# KiCad board P4.kicad_pcb
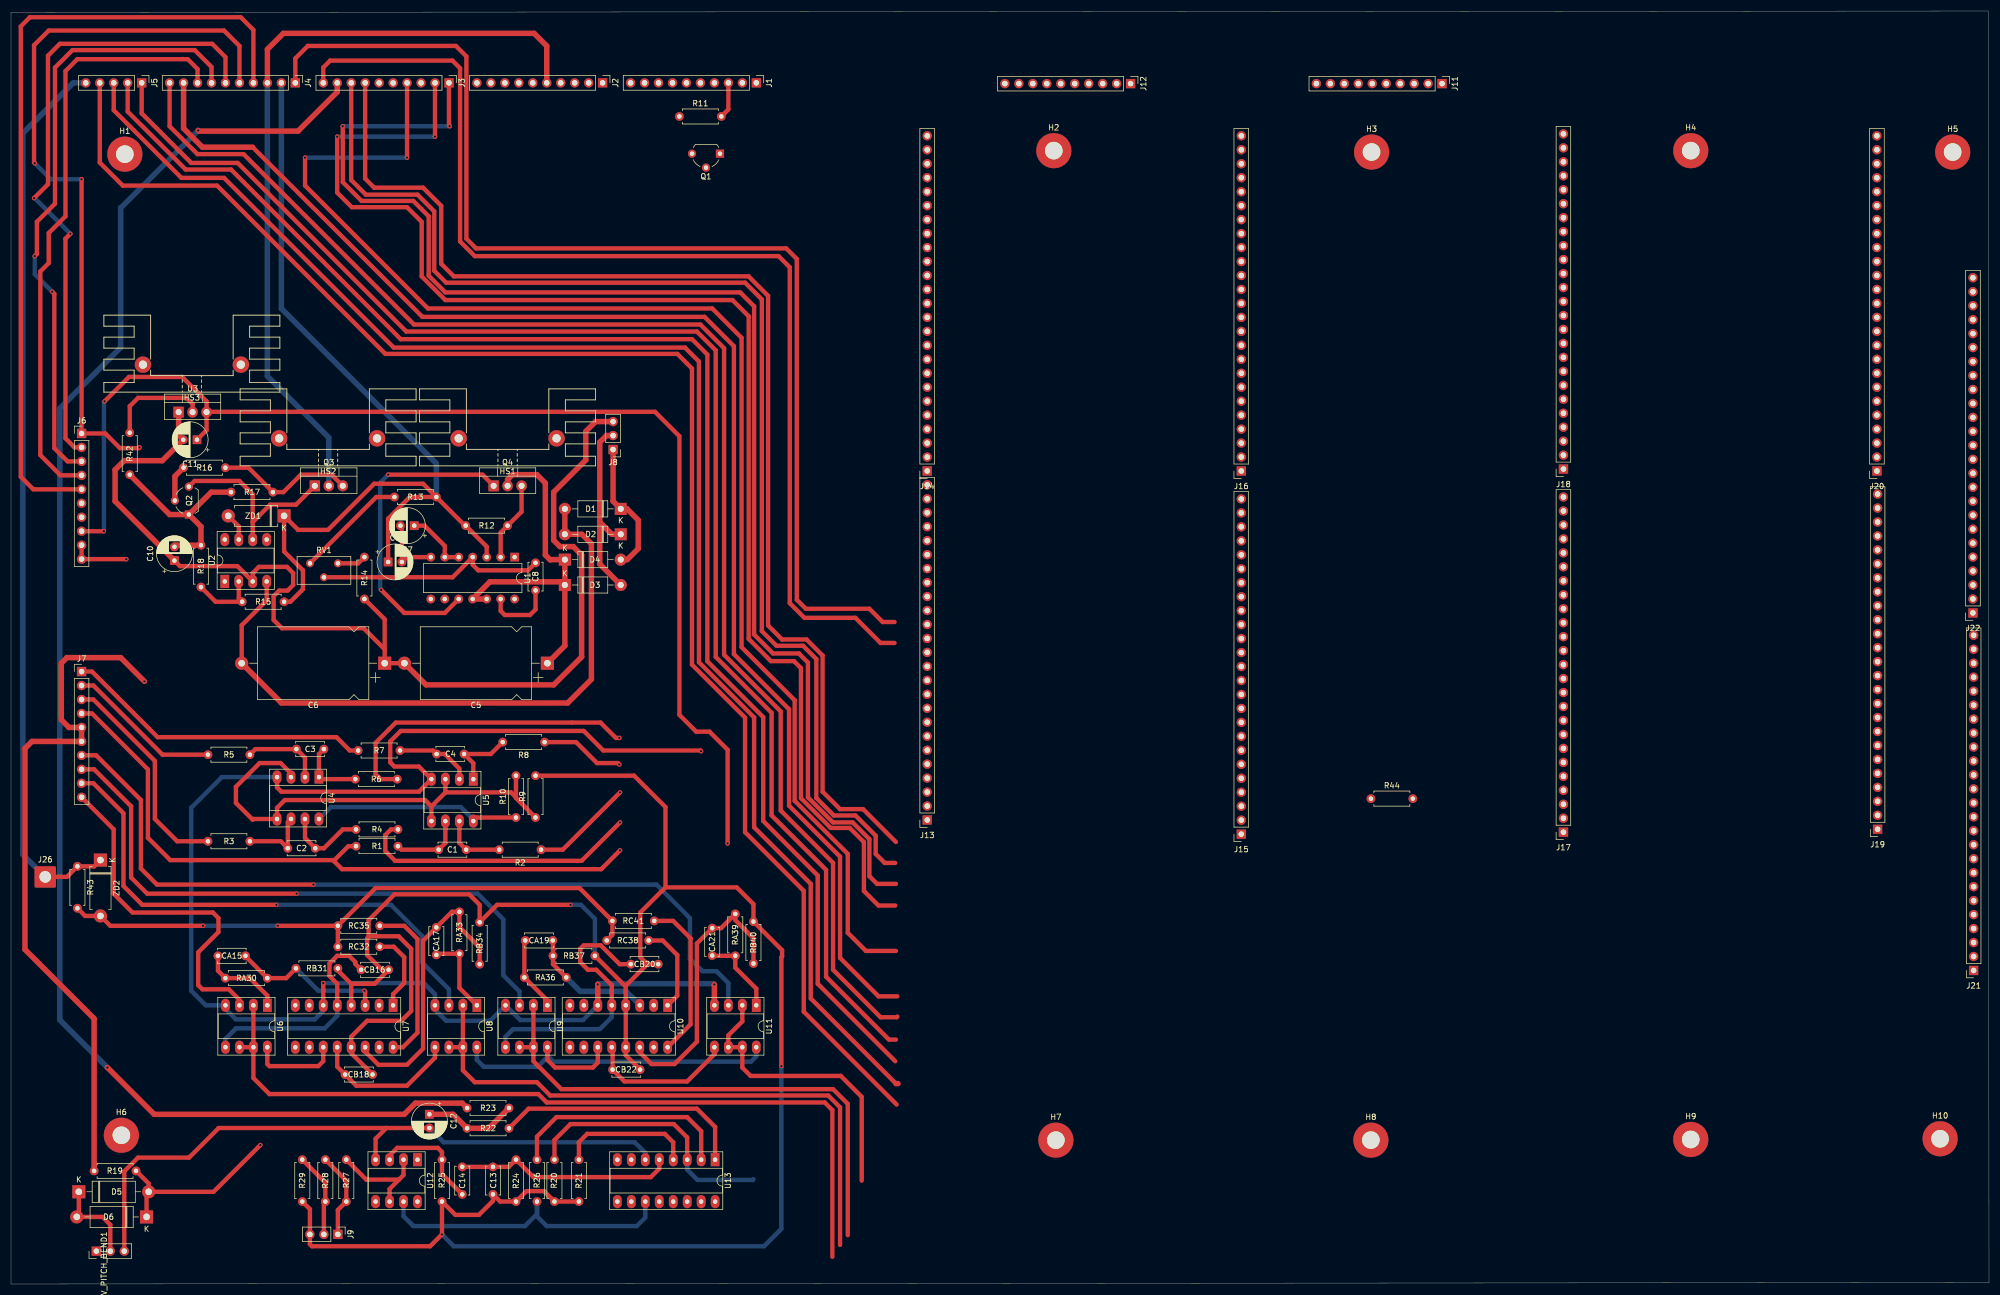
[diagram p0: board, top side]
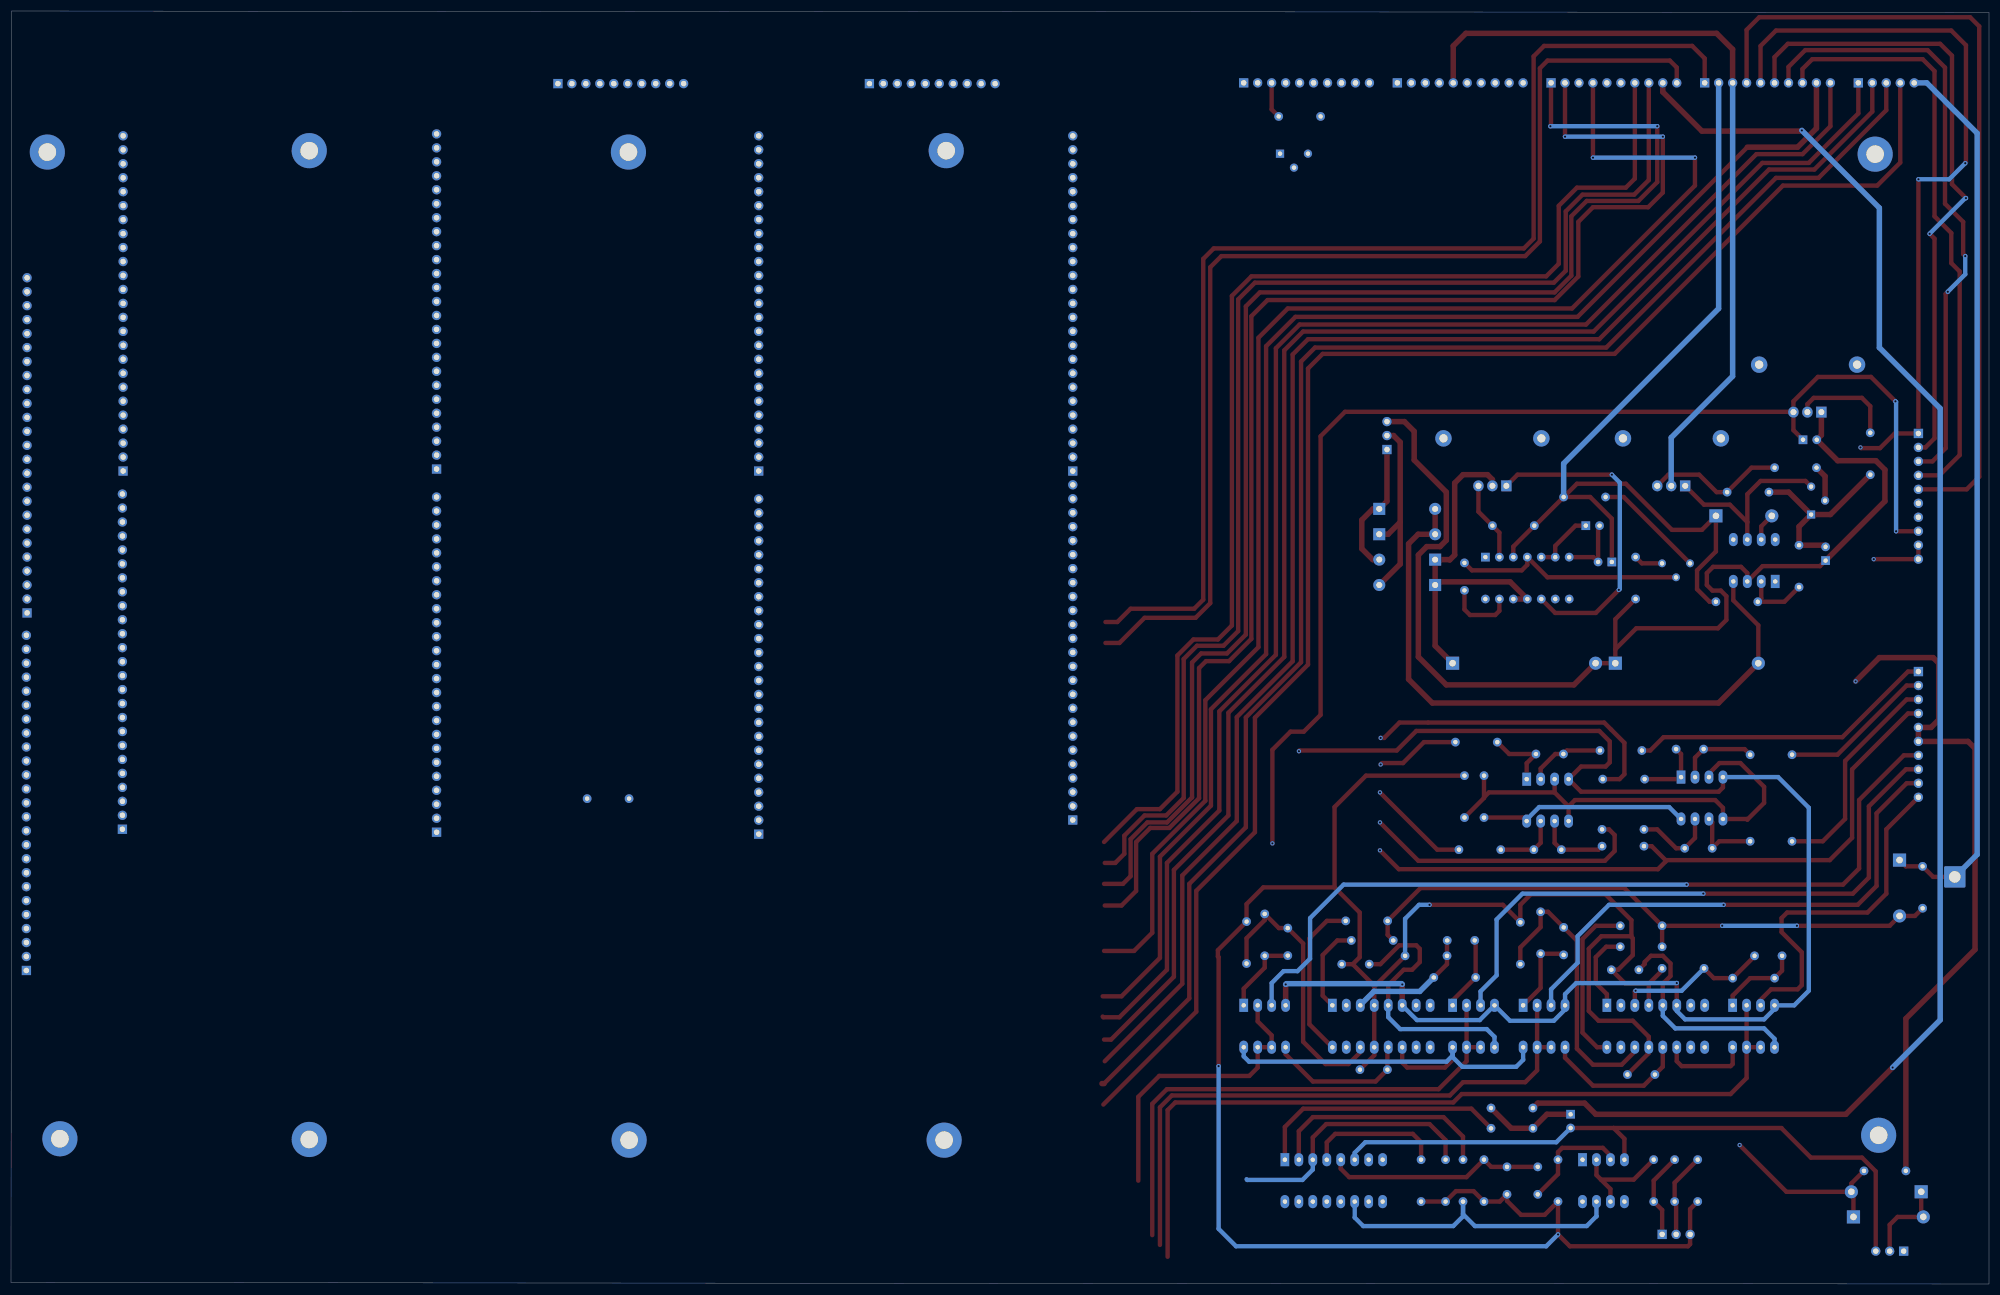
[diagram p1: board, bottom side, seen from below]

Outline 359.66 x 231.52 mm; copper layers: Top, Bottom. Coordinates in mm from the lower left corner of the outline.
Outline path: 0,231.27 359.54,231.52 359.66,0.25 0,0 0,231.27
Stack: Top 0.035mm / dielectric 1.51mm FR4 er 4.5 / Bottom 0.035mm

## Placement (name value [footprint] x y rotation side)
C1  1n0  [C_Disc_D5.0mm_W2.5mm_P5.00mm]  82.76 78.99 180 top
C2  1n0  [C_Disc_D5.0mm_W2.5mm_P5.00mm]  55.33 79.25 180 top
C3  1n0  [C_Disc_D5.0mm_W2.5mm_P5.00mm]  56.9 97.28 180 top
C4  1n0  [C_Disc_D5.0mm_W2.5mm_P5.00mm]  82.38 96.39 180 top
C5  2200uF  [CP_Axial_L20.0mm_D13.0mm_P26.00mm_Horizontal]  97.54 112.9 180 top
C6  2200uF  [CP_Axial_L20.0mm_D13.0mm_P26.00mm_Horizontal]  67.94 112.9 180 top
C7  10uF  [CP_Radial_D6.3mm_P2.50mm]  73.32 137.92 180 top
C8  330pF  [C_Disc_D5.0mm_W2.5mm_P5.00mm]  95.38 131.15 270 top
C9  10uF  [CP_Radial_D6.3mm_P2.50mm]  68.58 131.32 0 top
C10  10uF  [CP_Radial_D6.3mm_P2.50mm]  29.72 131.57 90 top
C11  10uF  [CP_Radial_D6.3mm_P2.50mm]  33.82 153.54 180 top
C12  10uF  [CP_Radial_D6.3mm_P2.50mm]  76.08 30.87 270 top
C13  1n0  [C_Disc_D5.0mm_W2.5mm_P5.00mm]  87.64 16.31 90 top
C14  220nF  [C_Disc_D5.0mm_W2.5mm_P5.00mm]  82.05 16.31 90 top
CA15  470pF  [C_Disc_D5.0mm_W2.5mm_P5.00mm]  42.63 59.69 180 top
CA17  470pF  [C_Disc_D5.0mm_W2.5mm_P5.00mm]  77.34 64.86 270 top
CA19  470pF  [C_Disc_D5.0mm_W2.5mm_P5.00mm]  98.51 62.48 180 top
CA21  470pF  [C_Disc_D5.0mm_W2.5mm_P5.00mm]  127.51 64.73 270 top
CB16  220nF  [C_Disc_D5.0mm_W2.5mm_P5.00mm]  68.67 57.15 180 top
CB18  220nF  [C_Disc_D5.0mm_W2.5mm_P5.00mm]  65.75 38.1 180 top
CB20  220nF  [C_Disc_D5.0mm_W2.5mm_P5.00mm]  117.69 58.17 180 top
CB22  220nF  [C_Disc_D5.0mm_W2.5mm_P5.00mm]  114.39 38.99 180 top
D1  1N4002  [D_DO-41_SOD81_P10.16mm_Horizontal]  110.87 140.97 180 top
D2  1N4002  [D_DO-41_SOD81_P10.16mm_Horizontal]  110.87 136.36 180 top
D3  1N4002  [D_DO-41_SOD81_P10.16mm_Horizontal]  100.71 127.13 0 top
D4  1N4002  [D_DO-41_SOD81_P10.16mm_Horizontal]  100.71 131.74 0 top
D5  1N4148  [D_DO-15_P12.70mm_Horizontal]  12.33 16.77 0 top
D6  1N4148  [D_DO-15_P12.70mm_Horizontal]  24.65 12.2 180 top
H1  MountingHole  [MountingHole_3.2mm_M3_Pad]  20.7 205.49 0 top
H2  MountingHole  [MountingHole_3.2mm_M3_Pad]  189.61 206.12 0 top
H3  MountingHole  [MountingHole_3.2mm_M3_Pad]  247.4 205.87 0 top
H4  MountingHole  [MountingHole_3.2mm_M3_Pad]  305.43 206.12 0 top
H5  MountingHole  [MountingHole_3.2mm_M3_Pad]  353.06 205.87 0 top
H6  MountingHole  [MountingHole_3.2mm_M3_Pad]  20.07 27.05 0 top
H7  MountingHole  [MountingHole_3.2mm_M3_Pad]  189.99 26.16 0 top
H8  MountingHole  [MountingHole_3.2mm_M3_Pad]  247.27 26.16 0 top
H9  MountingHole  [MountingHole_3.2mm_M3_Pad]  305.43 26.29 0 top
H10  MountingHole  [MountingHole_3.2mm_M3_Pad]  350.77 26.42 0 top
HS1  Heatsink  [Heatsink_Stonecold_HS-132_32x14mm_2xFixation1.5mm]  90.3 153.8 180 top
HS2  Heatsink  [Heatsink_Stonecold_HS-132_32x14mm_2xFixation1.5mm]  57.66 153.8 180 top
HS3  Heatsink  [Heatsink_Stonecold_HS-132_32x14mm_2xFixation1.5mm]  32.89 167.2 180 top
J1  Conn_01x10  [PinHeader_1x10_P2.54mm_Vertical]  135.52 218.45 270 top
J2  Conn_01x10  [PinHeader_1x10_P2.54mm_Vertical]  107.58 218.45 270 top
J3  Conn_01x10  [PinHeader_1x10_P2.54mm_Vertical]  79.64 218.45 270 top
J4  Conn_01x10  [PinHeader_1x10_P2.54mm_Vertical]  51.7 218.45 270 top
J5  Conn_01x05  [PinHeader_1x05_P2.54mm_Vertical]  23.76 218.45 270 top
J6  Conn_01x10  [PinHeader_1x10_P2.54mm_Vertical]  12.84 154.69 0 top
J7  Conn_01x10  [PinHeader_1x10_P2.54mm_Vertical]  12.84 111.38 0 top
J8  Conn_01x03  [PinHeader_1x03_P2.54mm_Vertical]  109.47 151.76 180 top
J9  Conn_01x03  [PinHeader_1x03_P2.54mm_Vertical]  59.43 9.03 270 top
J11  Conn_01x10  [PinHeader_1x10_P2.54mm_Vertical]  260.22 218.31 270 top
J12  Conn_01x10  [PinHeader_1x10_P2.54mm_Vertical]  203.58 218.31 270 top
J13  Conn_01x25  [PinSocket_1x25_P2.54mm_Vertical]  166.6 84.39 180 top
J14  Conn_01x25  [PinSocket_1x25_P2.54mm_Vertical]  166.6 147.86 180 top
J15  Conn_01x25  [PinSocket_1x25_P2.54mm_Vertical]  223.71 81.82 180 top
J16  Conn_01x25  [PinSocket_1x25_P2.54mm_Vertical]  223.71 147.86 180 top
J17  Conn_01x25  [PinSocket_1x25_P2.54mm_Vertical]  282.28 82.17 180 top
J18  Conn_01x25  [PinSocket_1x25_P2.54mm_Vertical]  282.28 148.21 180 top
J19  Conn_01x25  [PinSocket_1x25_P2.54mm_Vertical]  339.41 82.71 180 top
J20  Conn_01x25  [PinSocket_1x25_P2.54mm_Vertical]  339.28 147.86 180 top
J21  Conn_01x25  [PinSocket_1x25_P2.54mm_Vertical]  356.87 57.02 180 top
J22  Conn_01x25  [PinSocket_1x25_P2.54mm_Vertical]  356.74 122.05 180 top
J26  Conn_01x01  [SolderWire-1.5sqmm_1x01_D1.7mm_OD3.9mm]  6.22 74.04 0 top
Q1  BC212L  [TO-92L_Wide]  128.91 205.57 180 top
Q2  BC212L  [TO-92L_Wide]  32.35 139.94 90 top
Q3  TIP42  [TO-220-3_Vertical]  55.24 145.16 0 top
Q4  TIP41  [TO-220-3_Vertical]  87.76 145.16 0 top
R1  1M  [R_Axial_DIN0207_L6.3mm_D2.5mm_P7.62mm_Horizontal]  70.36 79.63 180 top
R2  1k5  [R_Axial_DIN0207_L6.3mm_D2.5mm_P7.62mm_Horizontal]  96.39 78.99 180 top
R3  1M  [R_Axial_DIN0207_L6.3mm_D2.5mm_P7.62mm_Horizontal]  43.43 80.52 180 top
R4  1k5  [R_Axial_DIN0207_L6.3mm_D2.5mm_P7.62mm_Horizontal]  70.36 82.68 180 top
R5  1M  [R_Axial_DIN0207_L6.3mm_D2.5mm_P7.62mm_Horizontal]  43.43 96.27 180 top
R6  1k5  [R_Axial_DIN0207_L6.3mm_D2.5mm_P7.62mm_Horizontal]  70.23 91.82 180 top
R7  1M  [R_Axial_DIN0207_L6.3mm_D2.5mm_P7.62mm_Horizontal]  70.74 97.03 180 top
R8  1k5  [R_Axial_DIN0207_L6.3mm_D2.5mm_P7.62mm_Horizontal]  97.03 98.55 180 top
R9  1k2  [R_Axial_DIN0207_L6.3mm_D2.5mm_P7.62mm_Horizontal]  95.38 84.84 90 top
R10  15k  [R_Axial_DIN0207_L6.3mm_D2.5mm_P7.62mm_Horizontal]  91.82 84.84 90 top
R11  100k  [R_Axial_DIN0207_L6.3mm_D2.5mm_P7.62mm_Horizontal]  121.54 212.34 0 top
R12  1R0  [R_Axial_DIN0207_L6.3mm_D2.5mm_P7.62mm_Horizontal]  90.3 137.92 180 top
R13  12k  [R_Axial_DIN0207_L6.3mm_D2.5mm_P7.62mm_Horizontal]  77.34 143.13 180 top
R14  10k  [R_Axial_DIN0207_L6.3mm_D2.5mm_P7.62mm_Horizontal]  64.26 132.21 270 top
R15  10k  [R_Axial_DIN0207_L6.3mm_D2.5mm_P7.62mm_Horizontal]  42.04 124.08 0 top
R16  1k0  [R_Axial_DIN0207_L6.3mm_D2.5mm_P7.62mm_Horizontal]  38.99 148.46 180 top
R17  1R0  [R_Axial_DIN0207_L6.3mm_D2.5mm_P7.62mm_Horizontal]  40 144.02 0 top
R18  10k  [R_Axial_DIN0207_L6.3mm_D2.5mm_P7.62mm_Horizontal]  34.54 134.37 270 top
R19  10k  [R_Axial_DIN0207_L6.3mm_D2.5mm_P7.62mm_Horizontal]  15.11 20.57 0 top
R20  1k0  [R_Axial_DIN0207_L6.3mm_D2.5mm_P7.62mm_Horizontal]  98.82 15 90 top
R21  1k0  [R_Axial_DIN0207_L6.3mm_D2.5mm_P7.62mm_Horizontal]  103.26 15 90 top
R22  22k  [R_Axial_DIN0207_L6.3mm_D2.5mm_P7.62mm_Horizontal]  82.93 28.32 0 top
R23  22k  [R_Axial_DIN0207_L6.3mm_D2.5mm_P7.62mm_Horizontal]  82.93 32 0 top
R24  10k  [R_Axial_DIN0207_L6.3mm_D2.5mm_P7.62mm_Horizontal]  91.83 15 90 top
R25  22k  [R_Axial_DIN0207_L6.3mm_D2.5mm_P7.62mm_Horizontal]  78.37 15 90 top
R26  15k  [R_Axial_DIN0207_L6.3mm_D2.5mm_P7.62mm_Horizontal]  95.64 22.62 270 top
R27  1k0  [R_Axial_DIN0207_L6.3mm_D2.5mm_P7.62mm_Horizontal]  60.97 22.62 270 top
R28  10k  [R_Axial_DIN0207_L6.3mm_D2.5mm_P7.62mm_Horizontal]  57.16 22.62 270 top
R29  1k0  [R_Axial_DIN0207_L6.3mm_D2.5mm_P7.62mm_Horizontal]  52.97 22.62 270 top
R42  100R  [R_Axial_DIN0207_L6.3mm_D2.5mm_P7.62mm_Horizontal]  21.59 154.81 270 top
R43  270k  [R_Axial_DIN0207_L6.3mm_D2.5mm_P7.62mm_Horizontal]  12.08 75.96 270 top
R44  1k0  [R_Axial_DIN0207_L6.3mm_D2.5mm_P7.62mm_Horizontal]  247.28 88.28 0 top
RA30  15k  [R_Axial_DIN0207_L6.3mm_D2.5mm_P7.62mm_Horizontal]  46.61 55.63 180 top
RA33  15k  [R_Axial_DIN0207_L6.3mm_D2.5mm_P7.62mm_Horizontal]  81.53 67.69 270 top
RA36  15k  [R_Axial_DIN0207_L6.3mm_D2.5mm_P7.62mm_Horizontal]  100.97 55.75 180 top
RA39  15k  [R_Axial_DIN0207_L6.3mm_D2.5mm_P7.62mm_Horizontal]  131.7 67.31 270 top
RB31  1k0  [R_Axial_DIN0207_L6.3mm_D2.5mm_P7.62mm_Horizontal]  51.82 57.4 0 top
RB34  1k0  [R_Axial_DIN0207_L6.3mm_D2.5mm_P7.62mm_Horizontal]  85.22 58.17 90 top
RB37  1k0  [R_Axial_DIN0207_L6.3mm_D2.5mm_P7.62mm_Horizontal]  98.55 59.69 0 top
RB40  1k0  [R_Axial_DIN0207_L6.3mm_D2.5mm_P7.62mm_Horizontal]  135 58.29 90 top
RC32  100k  [R_Axial_DIN0207_L6.3mm_D2.5mm_P7.62mm_Horizontal]  59.44 61.34 0 top
RC35  100k  [R_Axial_DIN0207_L6.3mm_D2.5mm_P7.62mm_Horizontal]  59.44 65.15 0 top
RC38  100k  [R_Axial_DIN0207_L6.3mm_D2.5mm_P7.62mm_Horizontal]  108.33 62.48 0 top
RC41  100k  [R_Axial_DIN0207_L6.3mm_D2.5mm_P7.62mm_Horizontal]  109.35 66.04 0 top
RV1  R_POT_TRIM_US  [Potentiometer_Bourns_3296Y_Vertical]  59.45 131.07 0 top
RV_PITCH_BEND1  R_POT  [PinHeader_1x03_P2.54mm_Vertical]  15.52 5.98 90 top
U1  LM723_DIP14  [DIP-14_W7.62mm]  91.57 132.2 270 top
U2  LM741  [DIP-8_W7.62mm_Socket_LongPads]  38.87 127.77 90 top
U3  L7905  [TO-220-3_Vertical]  30.48 158.57 0 top
U4  LM1458  [DIP-8_W7.62mm_Socket_LongPads]  56 92.19 270 top
U5  LM1458  [DIP-8_W7.62mm_Socket_LongPads]  84.06 91.81 270 top
U6  LF353  [DIP-8_W7.62mm_Socket_LongPads]  46.62 50.68 270 top
U7  LM13600  [DIP-16_W7.62mm_Socket_LongPads]  69.48 50.68 270 top
U8  LF353  [DIP-8_W7.62mm_Socket_LongPads]  84.71 50.68 270 top
U9  LF353  [DIP-8_W7.62mm_Socket_LongPads]  97.54 50.68 270 top
U10  LM13600  [DIP-16_W7.62mm_Socket_LongPads]  119.4 50.68 270 top
U11  LF353  [DIP-8_W7.62mm_Socket_LongPads]  135.52 50.68 270 top
U12  LM741  [DIP-8_W7.62mm_Socket_LongPads]  73.91 22.61 270 top
U13  LM13600  [DIP-16_W7.62mm_Socket_LongPads]  128.04 22.61 270 top
ZD1  10V  [D_DO-15_P10.16mm_Horizontal]  49.66 139.7 180 top
ZD2  5V1  [D_DO-15_P10.16mm_Horizontal]  16.27 77.1 270 top

## Footprints (pads in the part's own frame, mm; a bottom-side part is the same pattern mirrored in y, then rotated)
C_Disc_D5.0mm_W2.5mm_P5.00mm
  round 1.6 hole 0.8: 1(0,0) 2(5,0)
CP_Axial_L20.0mm_D13.0mm_P26.00mm_Horizontal
  rect 2.4x2.4 hole 1.2: 1(0,0)
  oval 2.4x2.4 hole 1.2: 2(26,0)
CP_Radial_D6.3mm_P2.50mm
  rect 1.6x1.6 hole 0.8: 1(0,0)
  round 1.6 hole 0.8: 2(2.5,0)
D_DO-15_P10.16mm_Horizontal
  rect 2.4x2.4 hole 1.2: 1(0,0)
  oval 2.4x2.4 hole 1.2: 2(10.16,0)
D_DO-15_P12.70mm_Horizontal
  rect 2.4x2.4 hole 1.2: 1(0,0)
  oval 2.4x2.4 hole 1.2: 2(12.7,0)
D_DO-41_SOD81_P10.16mm_Horizontal
  rect 2.2x2.2 hole 1.1: 1(0,0)
  oval 2.2x2.2 hole 1.1: 2(10.16,0)
DIP-8_W7.62mm_Socket_LongPads
  rect 2.4x1.6 hole 0.8: 1(0,0)
  oval 2.4x1.6 hole 0.8: 2(0,-2.54) 3(0,-5.08) 4(0,-7.62) 5(7.62,-7.62) 6(7.62,-5.08) 7(7.62,-2.54) 8(7.62,0)
DIP-14_W7.62mm
  rect 1.6x1.6 hole 0.8: 1(0,0)
  oval 1.6x1.6 hole 0.8: 2(0,-2.54) 3(0,-5.08) 4(0,-7.62) 5(0,-10.16) 6(0,-12.7) 7(0,-15.24) 8(7.62,-15.24) 9(7.62,-12.7) 10(7.62,-10.16) 11(7.62,-7.62) 12(7.62,-5.08) 13(7.62,-2.54) 14(7.62,0)
DIP-16_W7.62mm_Socket_LongPads
  rect 2.4x1.6 hole 0.8: 1(0,0)
  oval 2.4x1.6 hole 0.8: 2(0,-2.54) 3(0,-5.08) 4(0,-7.62) 5(0,-10.16) 6(0,-12.7) 7(0,-15.24) 8(0,-17.78) 9(7.62,-17.78) 10(7.62,-15.24) 11(7.62,-12.7) 12(7.62,-10.16) 13(7.62,-7.62) 14(7.62,-5.08) 15(7.62,-2.54) 16(7.62,0)
Heatsink_Stonecold_HS-132_32x14mm_2xFixation1.5mm
  round 3 hole 1.5: 1(-8.9,0) 1(8.9,0)
MountingHole_3.2mm_M3_Pad
  round 6.4 hole 3.2: 1(0,0)
PinHeader_1x03_P2.54mm_Vertical
  rect 1.7x1.7 hole 1: 1(0,0)
  oval 1.7x1.7 hole 1: 2(0,-2.54) 3(0,-5.08)
PinHeader_1x05_P2.54mm_Vertical
  rect 1.7x1.7 hole 1: 1(0,0)
  oval 1.7x1.7 hole 1: 2(0,-2.54) 3(0,-5.08) 4(0,-7.62) 5(0,-10.16)
PinHeader_1x10_P2.54mm_Vertical
  rect 1.7x1.7 hole 1: 1(0,0)
  oval 1.7x1.7 hole 1: 2(0,-2.54) 3(0,-5.08) 4(0,-7.62) 5(0,-10.16) 6(0,-12.7) 7(0,-15.24) 8(0,-17.78) 9(0,-20.32) 10(0,-22.86)
PinSocket_1x25_P2.54mm_Vertical
  rect 1.7x1.7 hole 1: 1(0,0)
  oval 1.7x1.7 hole 1: 2(0,-2.54) 3(0,-5.08) 4(0,-7.62) 5(0,-10.16) 6(0,-12.7) 7(0,-15.24) 8(0,-17.78) 9(0,-20.32) 10(0,-22.86) 11(0,-25.4) 12(0,-27.94) 13(0,-30.48) 14(0,-33.02) 15(0,-35.56) 16(0,-38.1) 17(0,-40.64) 18(0,-43.18) 19(0,-45.72) 20(0,-48.26) 21(0,-50.8) 22(0,-53.34) 23(0,-55.88) 24(0,-58.42) 25(0,-60.96)
Potentiometer_Bourns_3296Y_Vertical
  round 1.44 hole 0.8: 1(0,0) 2(-2.54,-2.54) 3(-5.08,0)
R_Axial_DIN0207_L6.3mm_D2.5mm_P7.62mm_Horizontal
  round 1.6 hole 0.8: 1(0,0)
  oval 1.6x1.6 hole 0.8: 2(7.62,0)
SolderWire-1.5sqmm_1x01_D1.7mm_OD3.9mm
  rrect 3.9x3.9 hole 2.1: 1(0,0)
TO-92L_Wide
  rect 1.5x1.5 hole 0.8: 1(0,0)
  round 1.5 hole 0.8: 2(2.54,2.54) 3(5.08,0)
TO-220-3_Vertical
  rect 1.905x2 hole 1.1: 1(0,0)
  oval 1.905x2 hole 1.1: 2(2.54,0) 3(5.08,0)
